# Altium PCB M5_CORE2_re.PcbDoc (part 1 of 3)
Units mm, origin at the board's own origin, x right, y up, seen from the top; angles counter-clockwise.
Board outline 48 x 49.5 mm, 4 copper layers (Top Layer, GND, PWR, Bottom Layer), stack 1.561 mm thick; 165 components, 118 nets, 612 pads, 248 vias.
Unrouted connection lines stored in the file: 4.
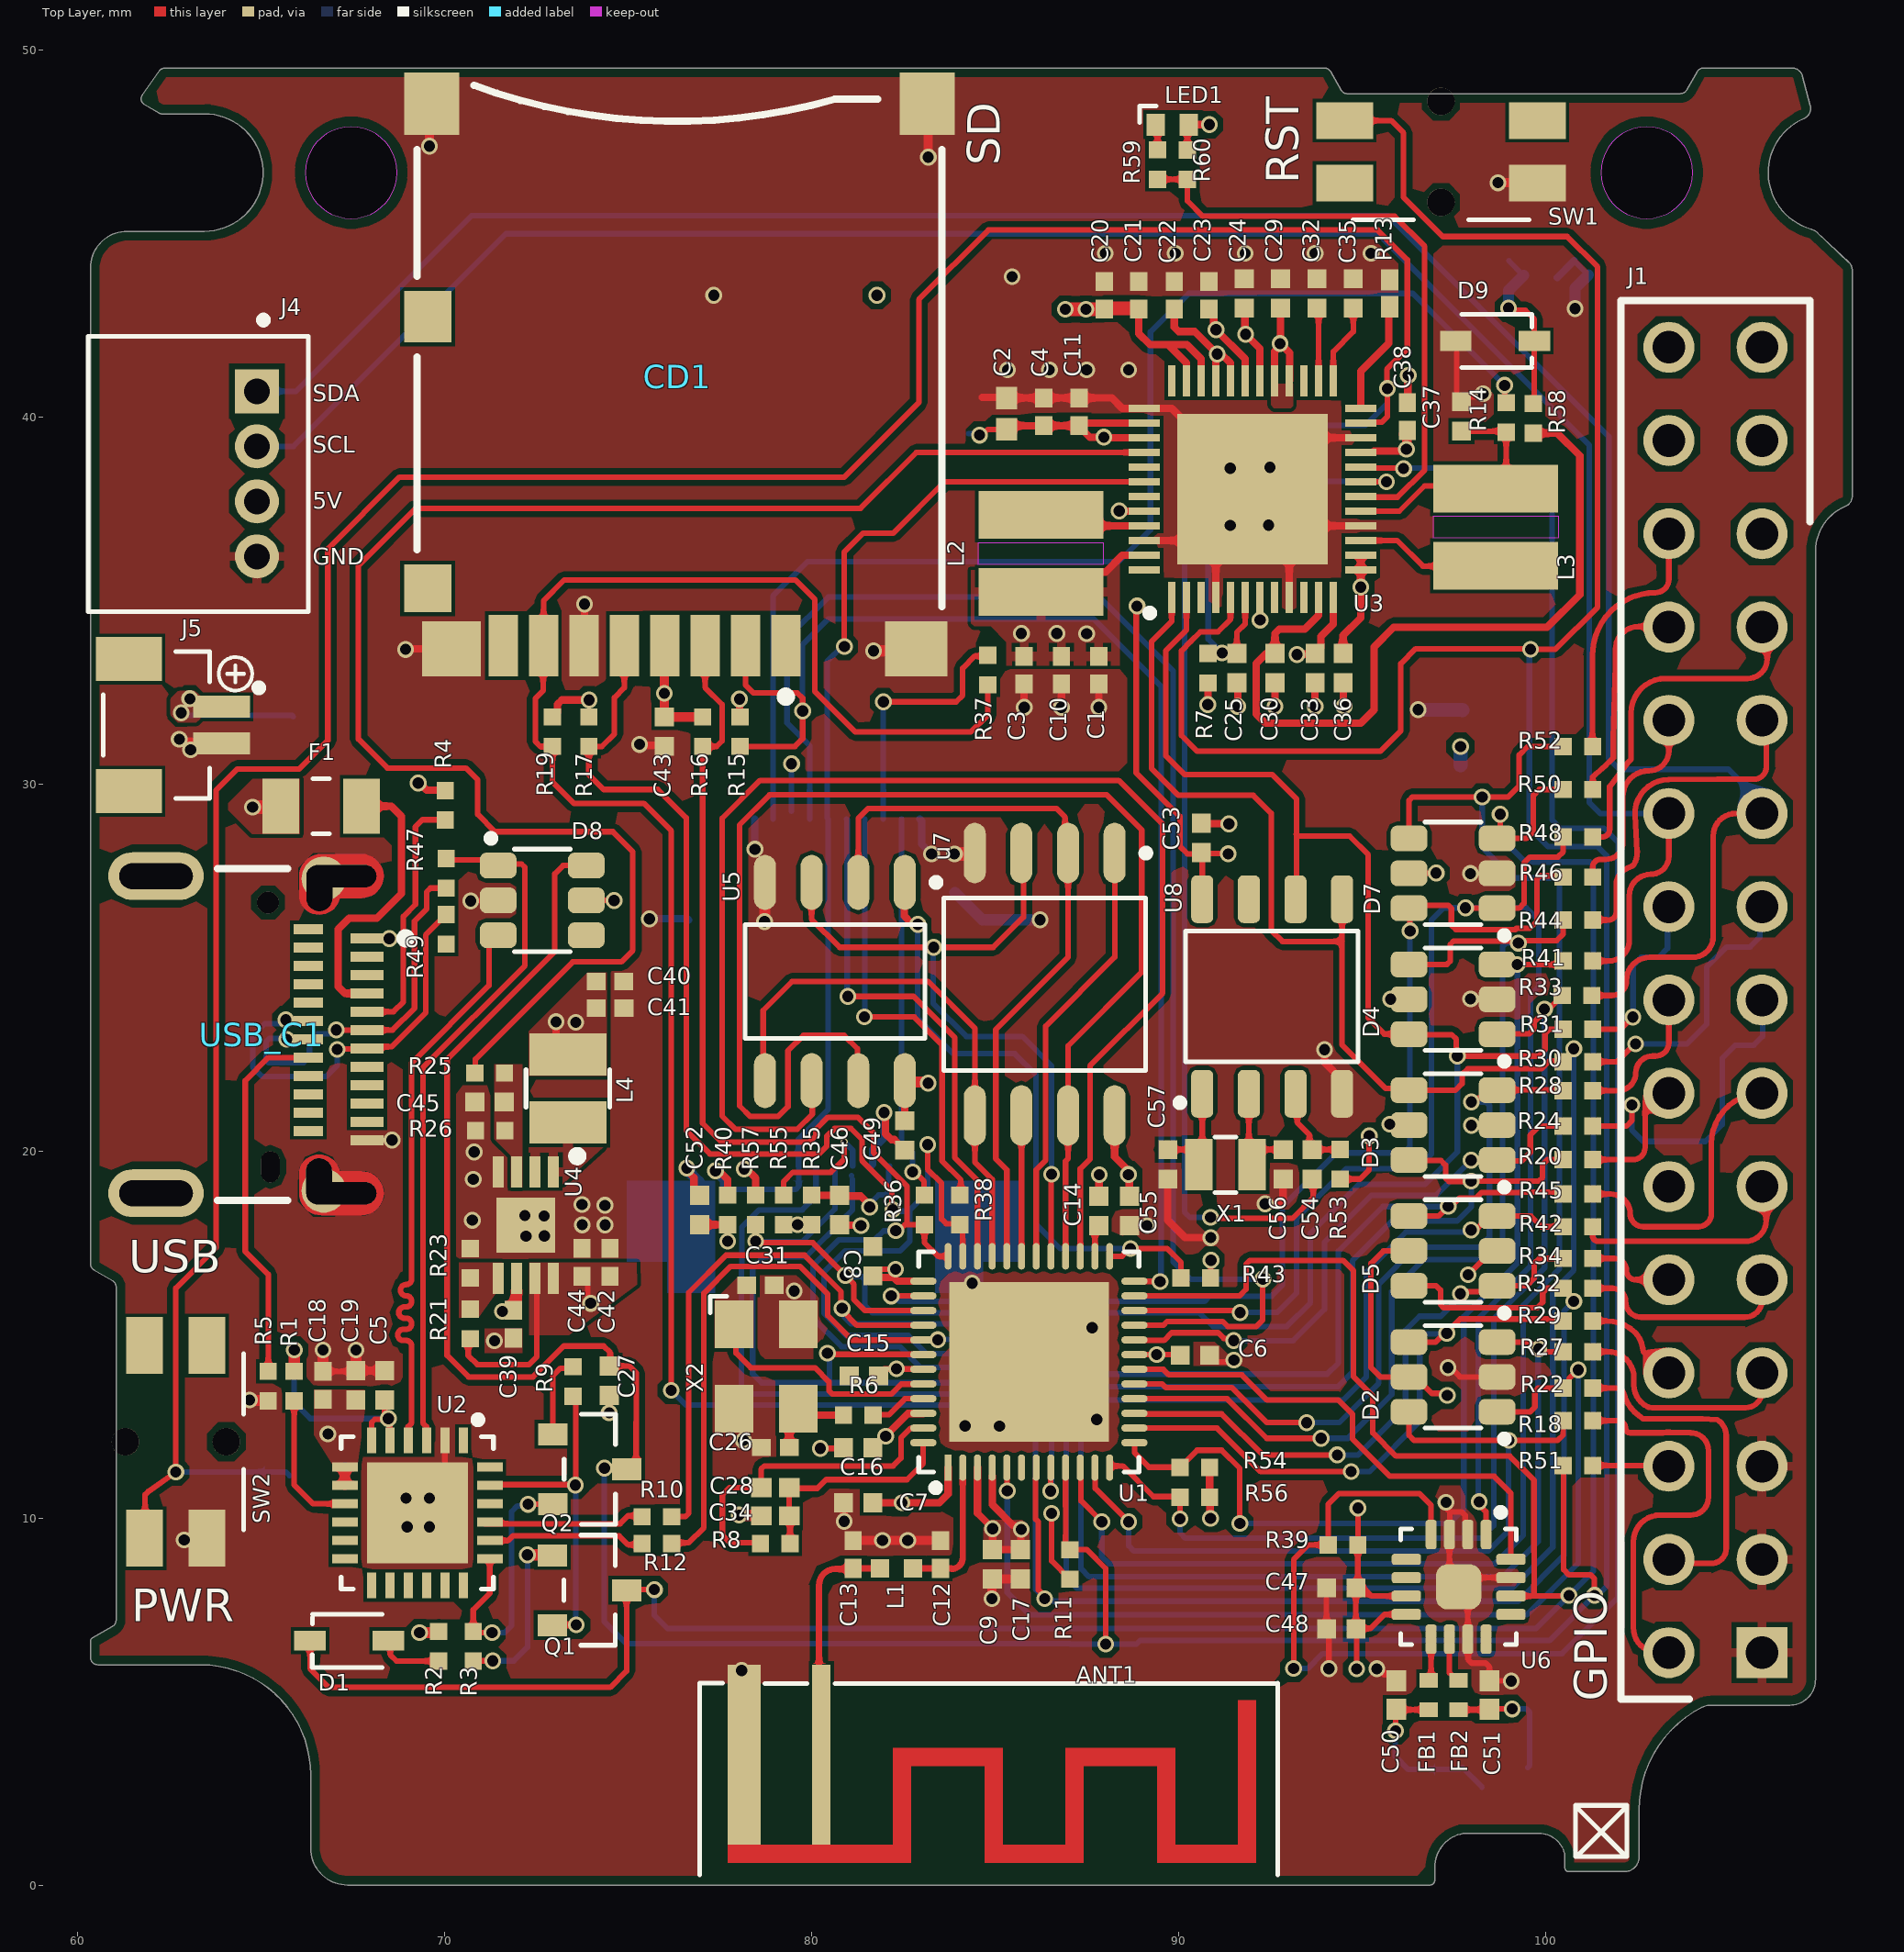
[diagram p0: Top Layer view]
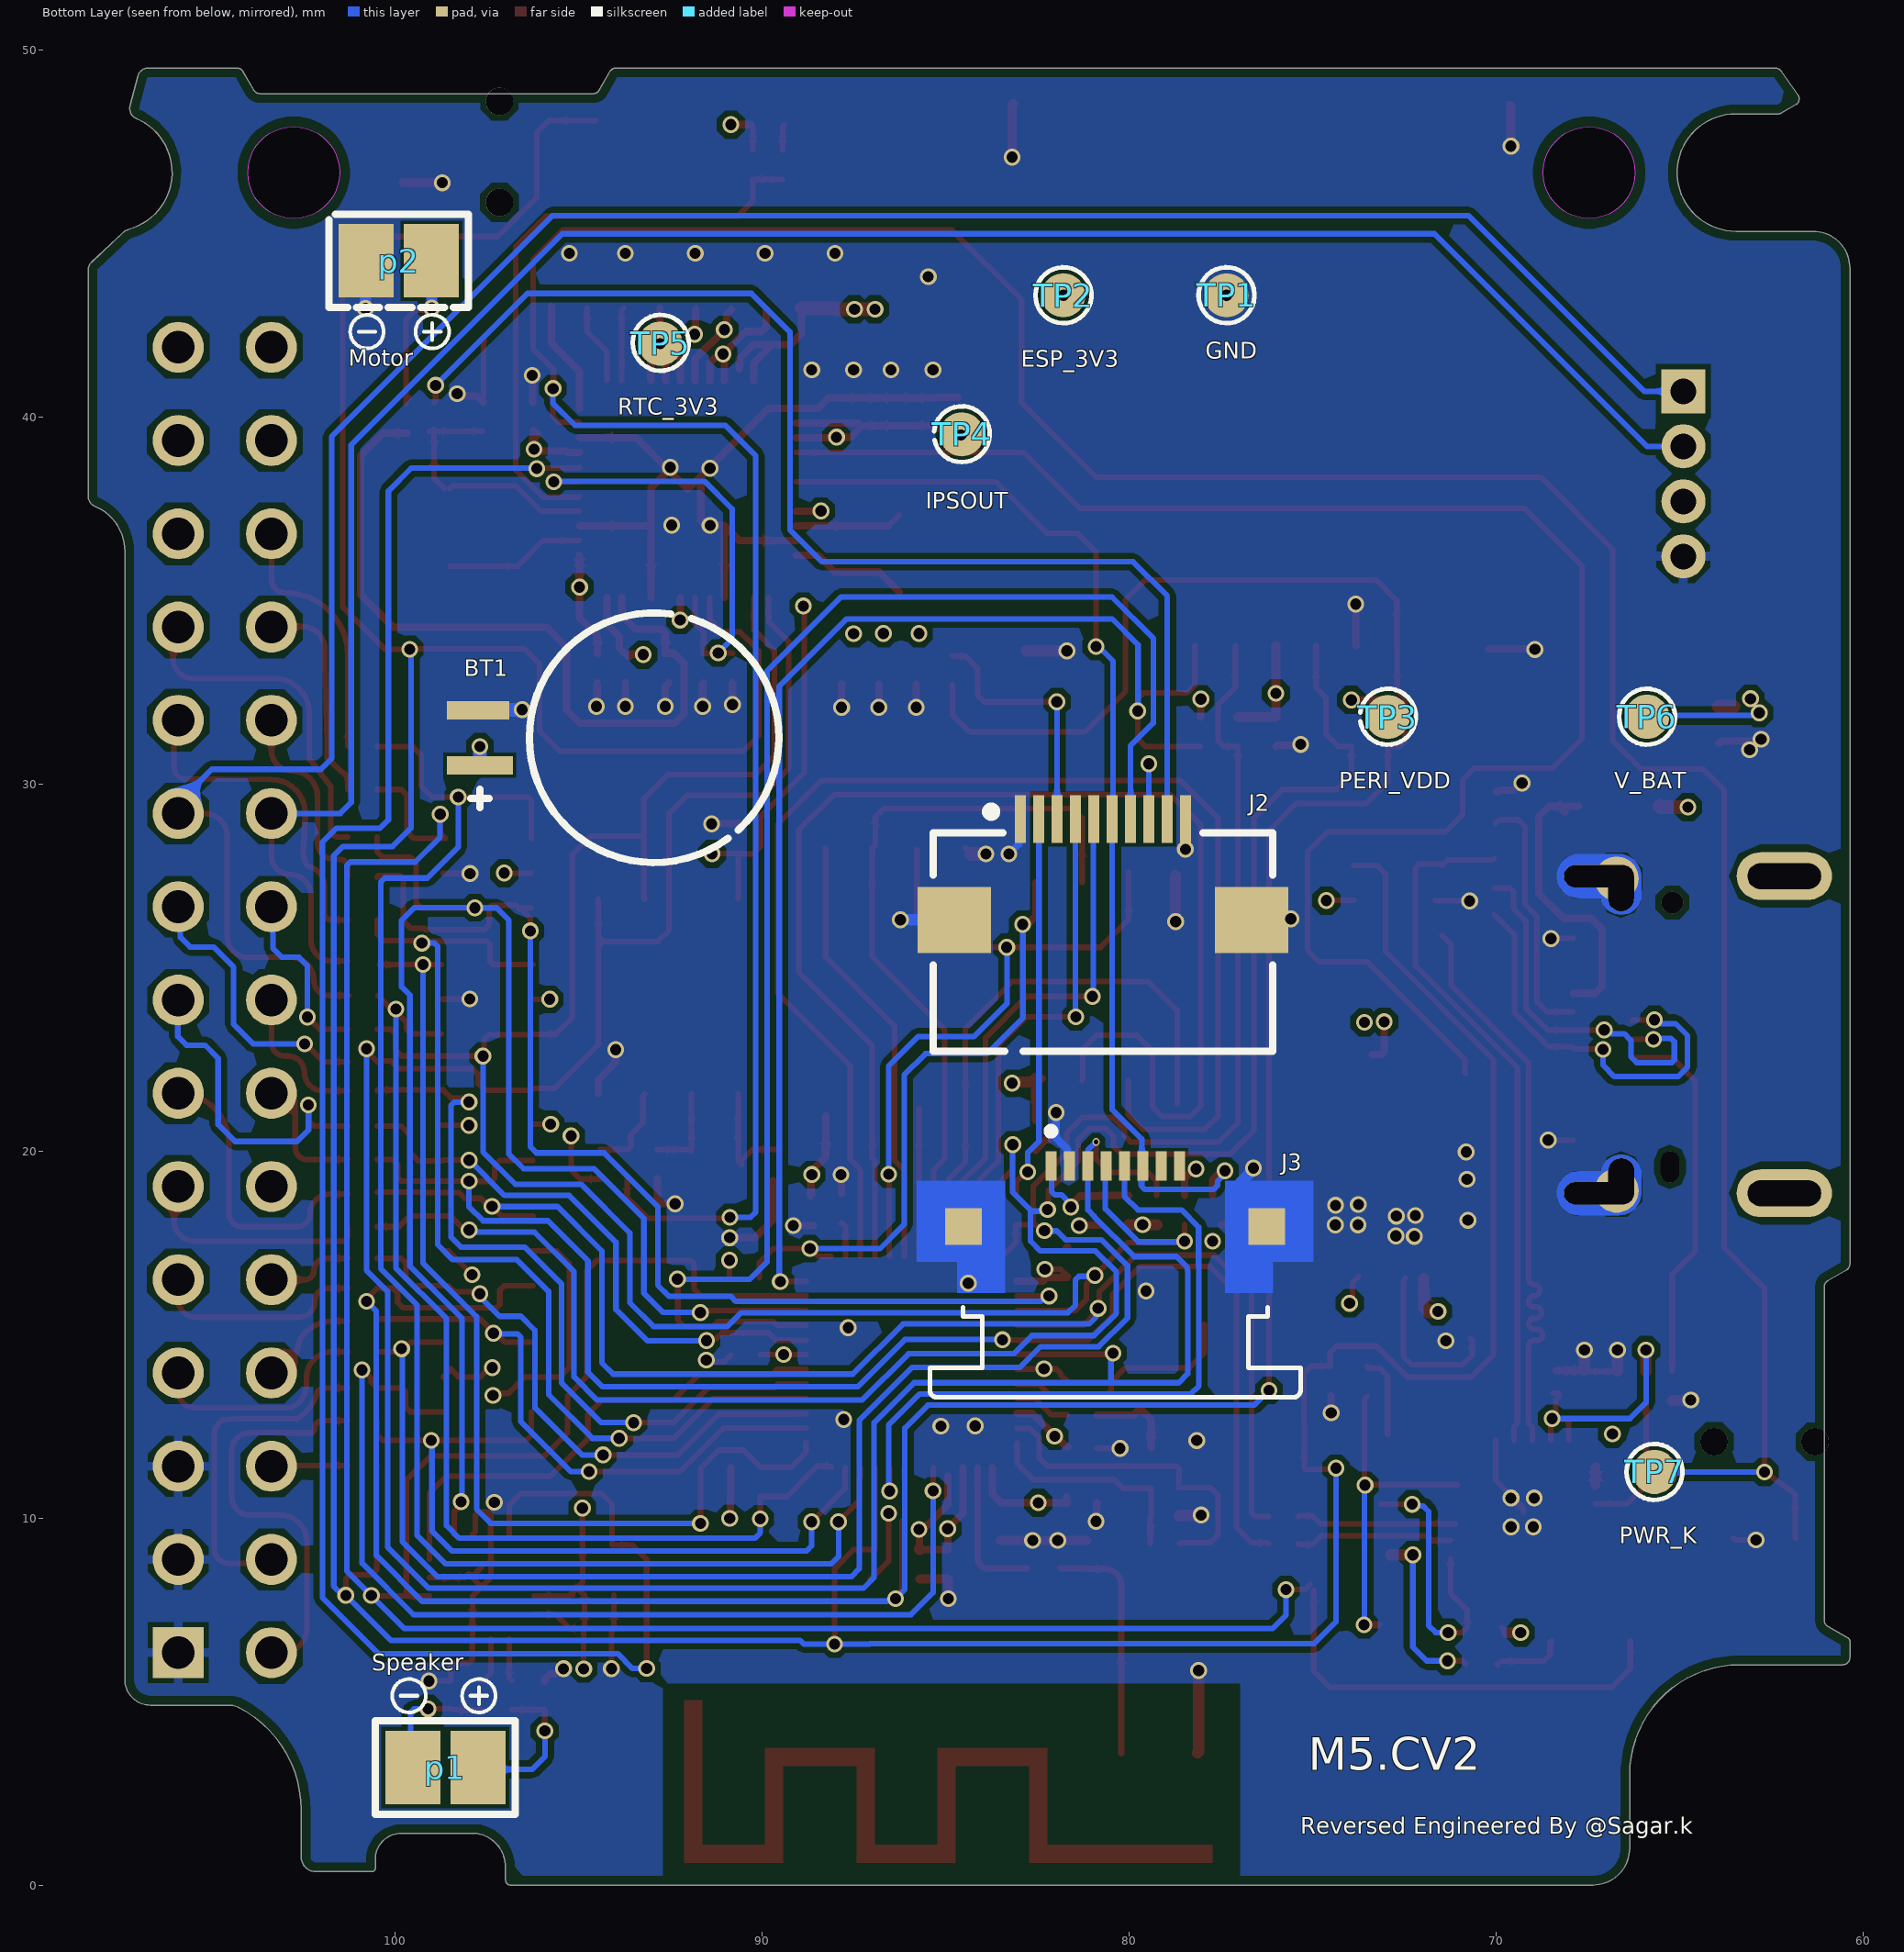
[diagram p1: Bottom Layer view, seen from below]
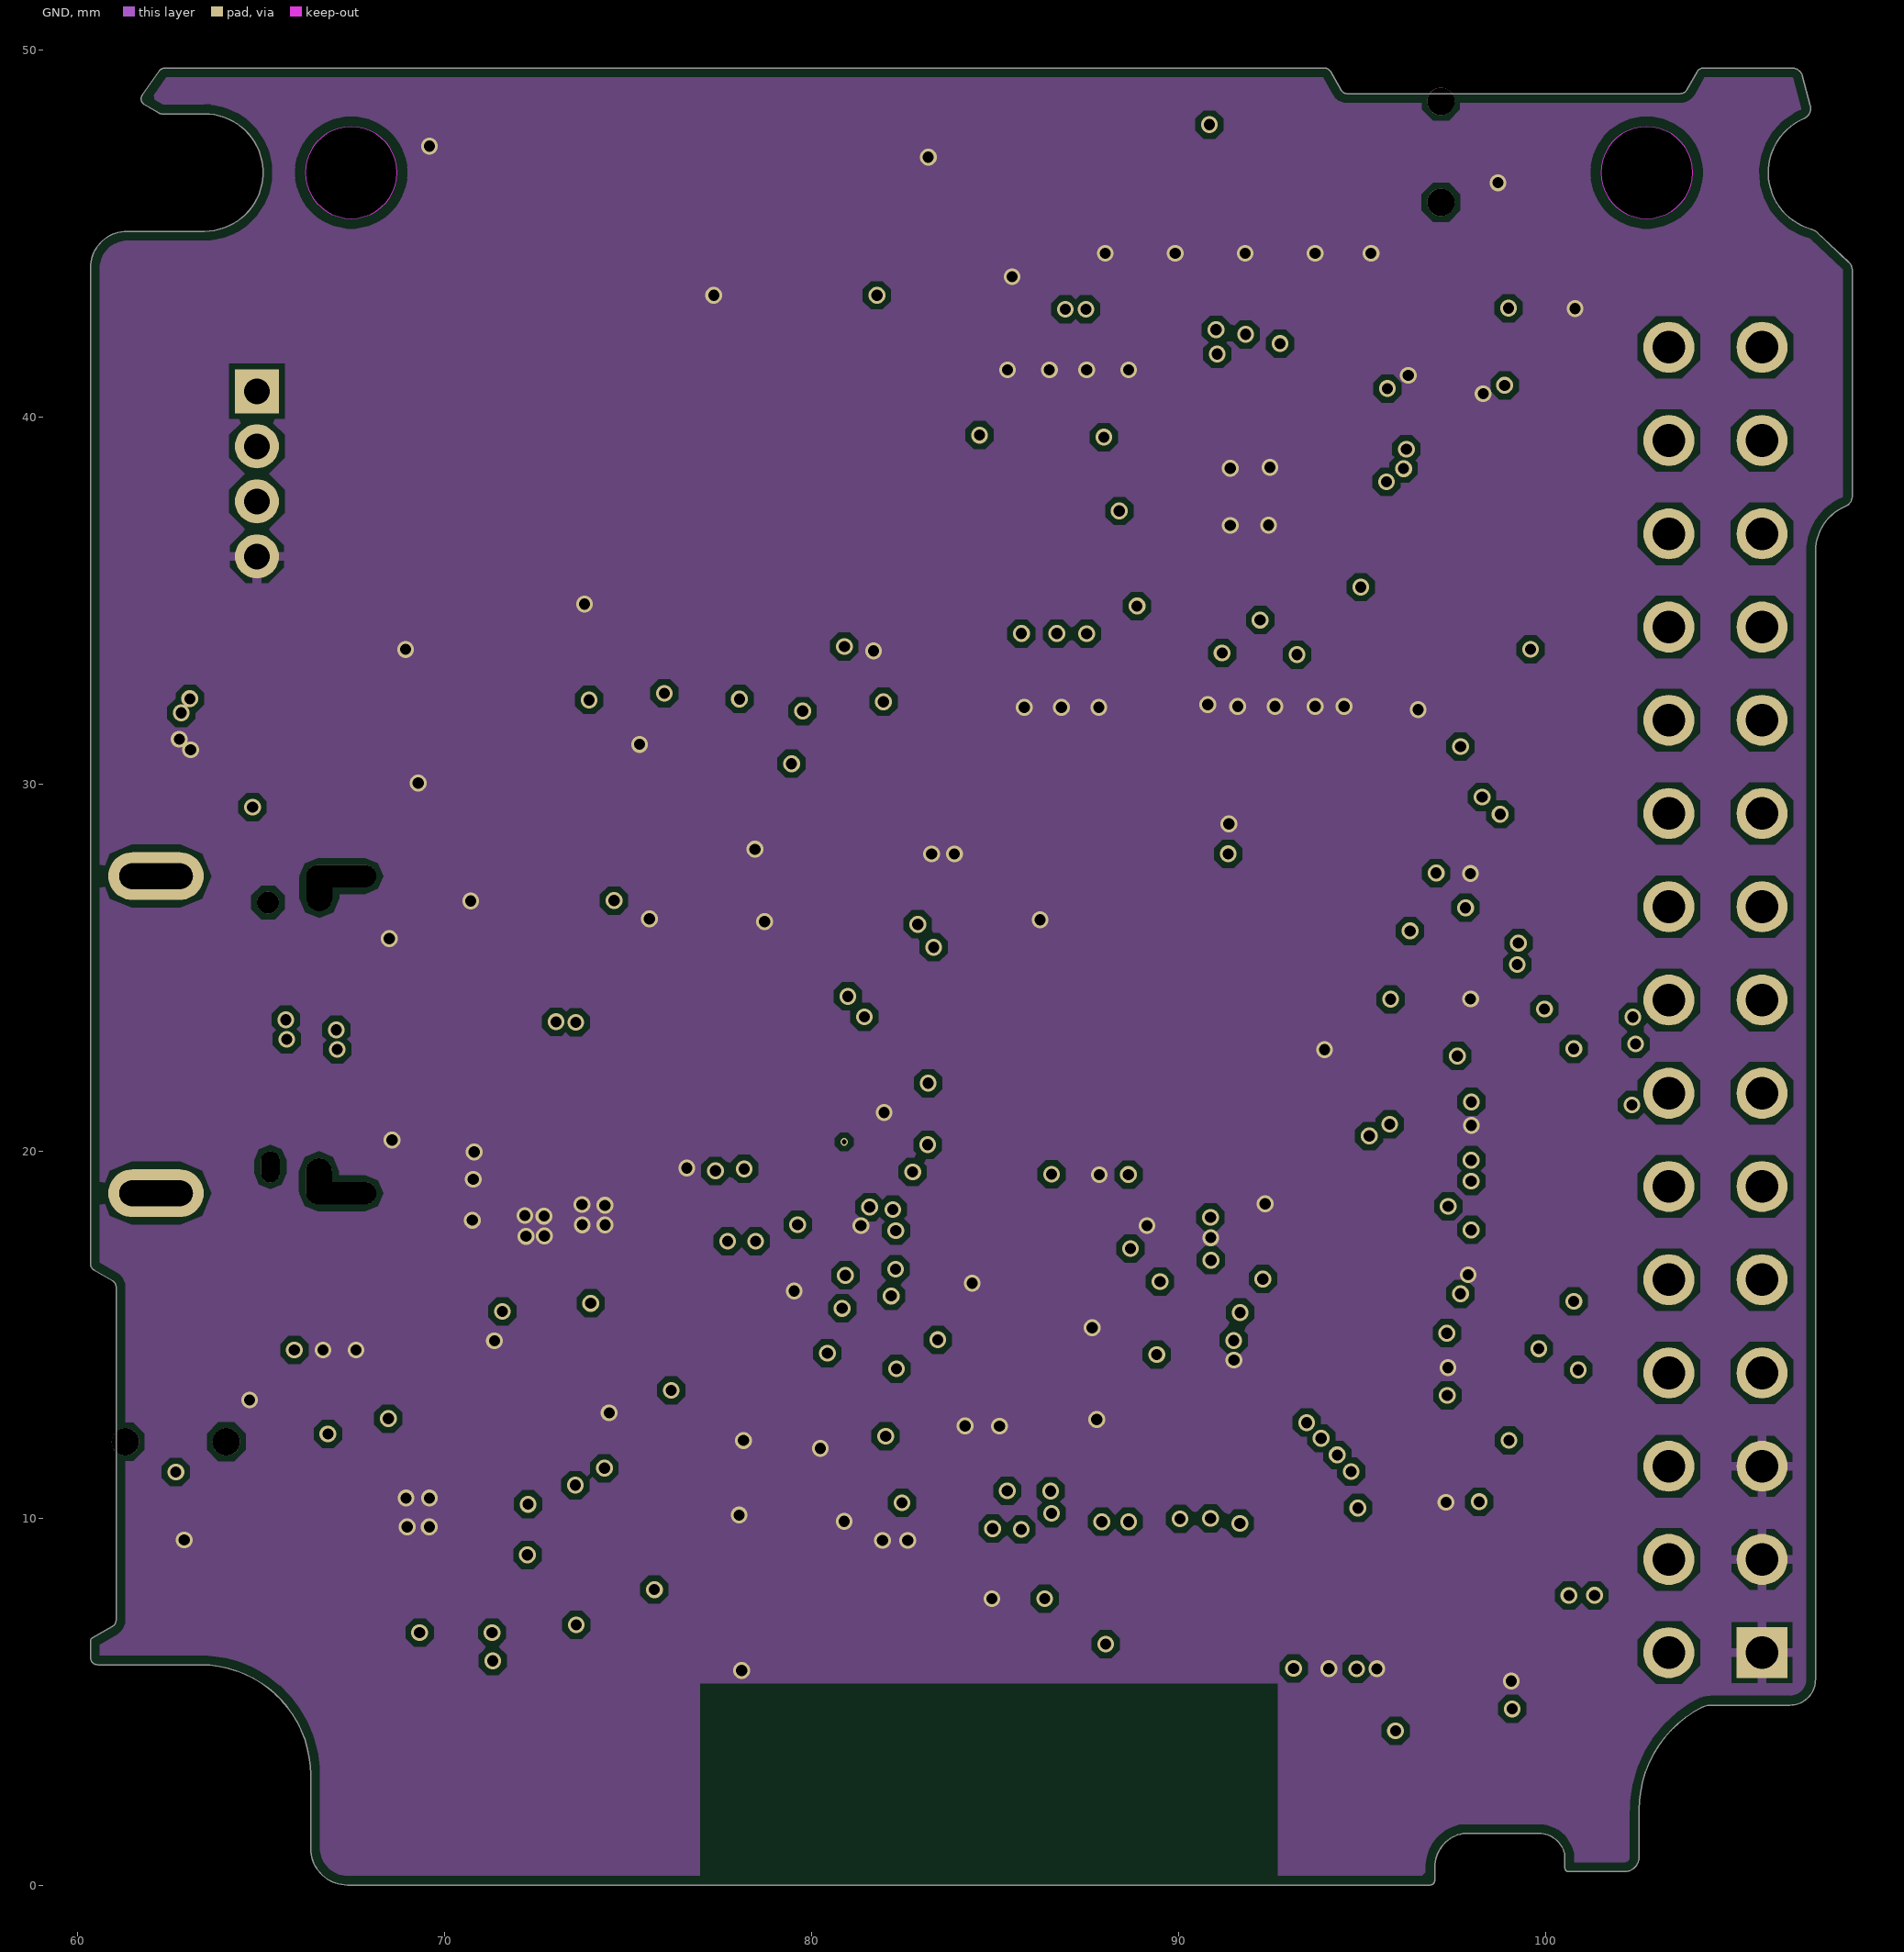
[diagram p2: GND]
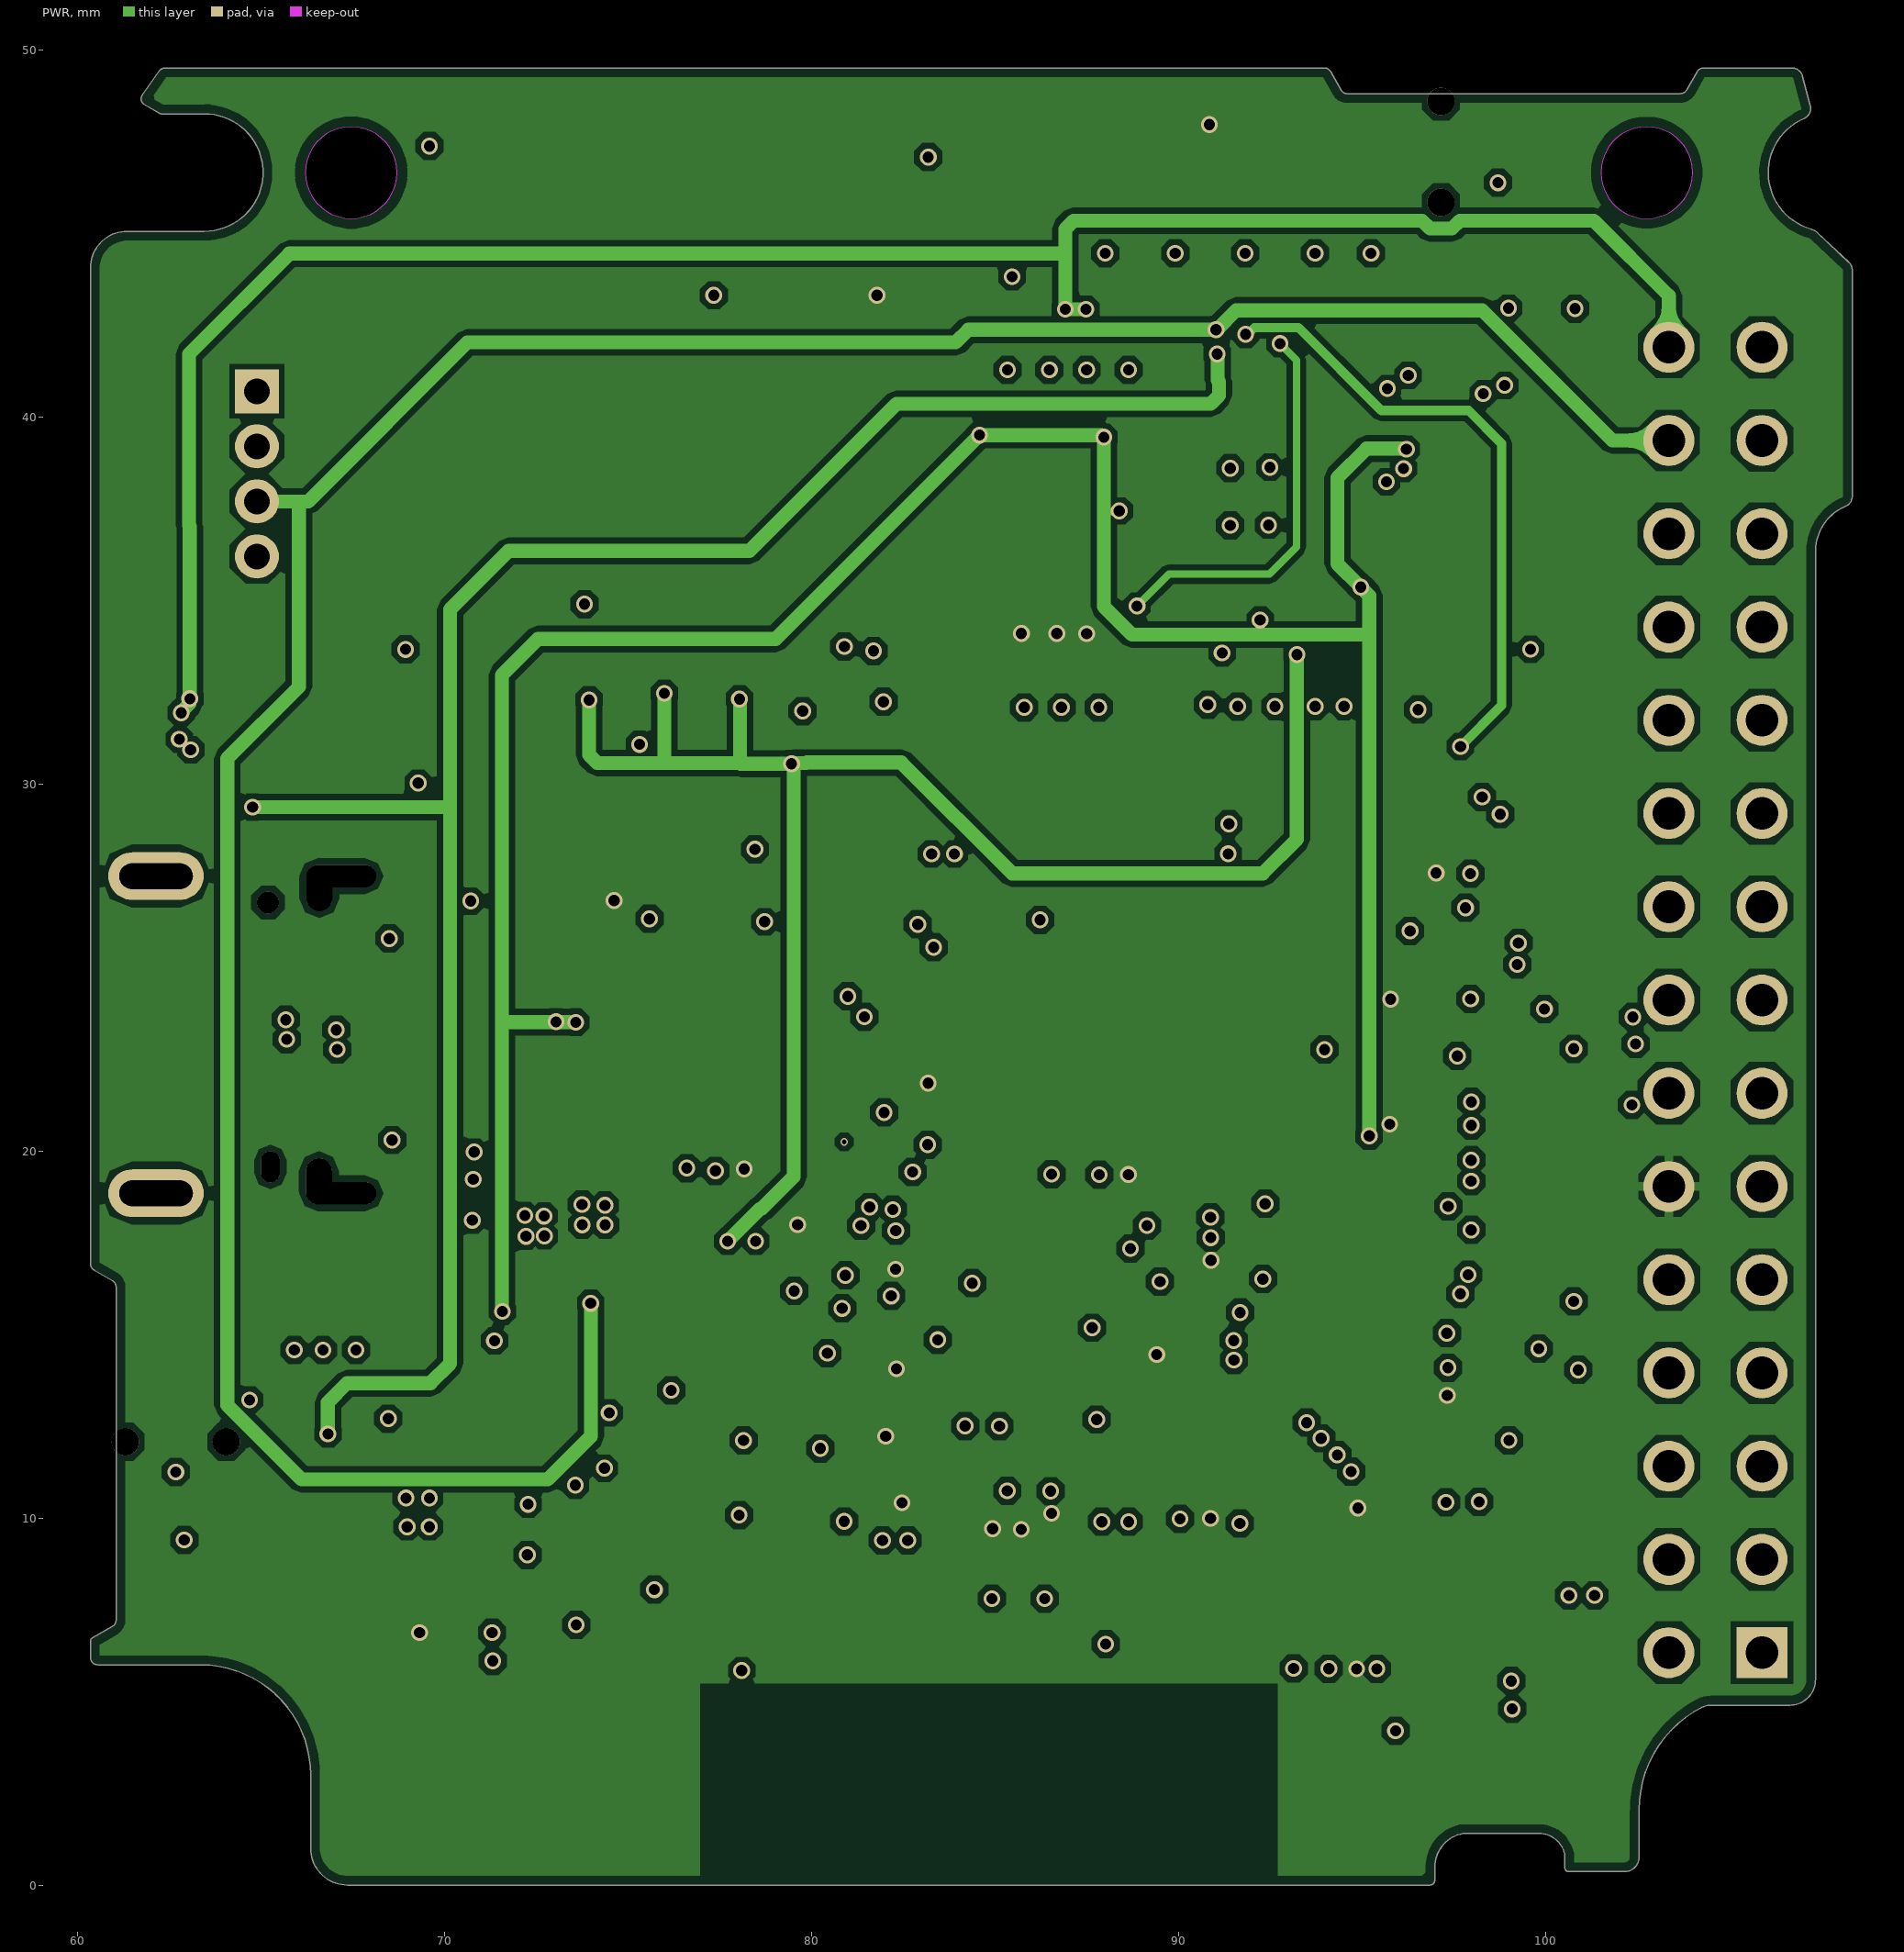
[diagram p3: PWR]
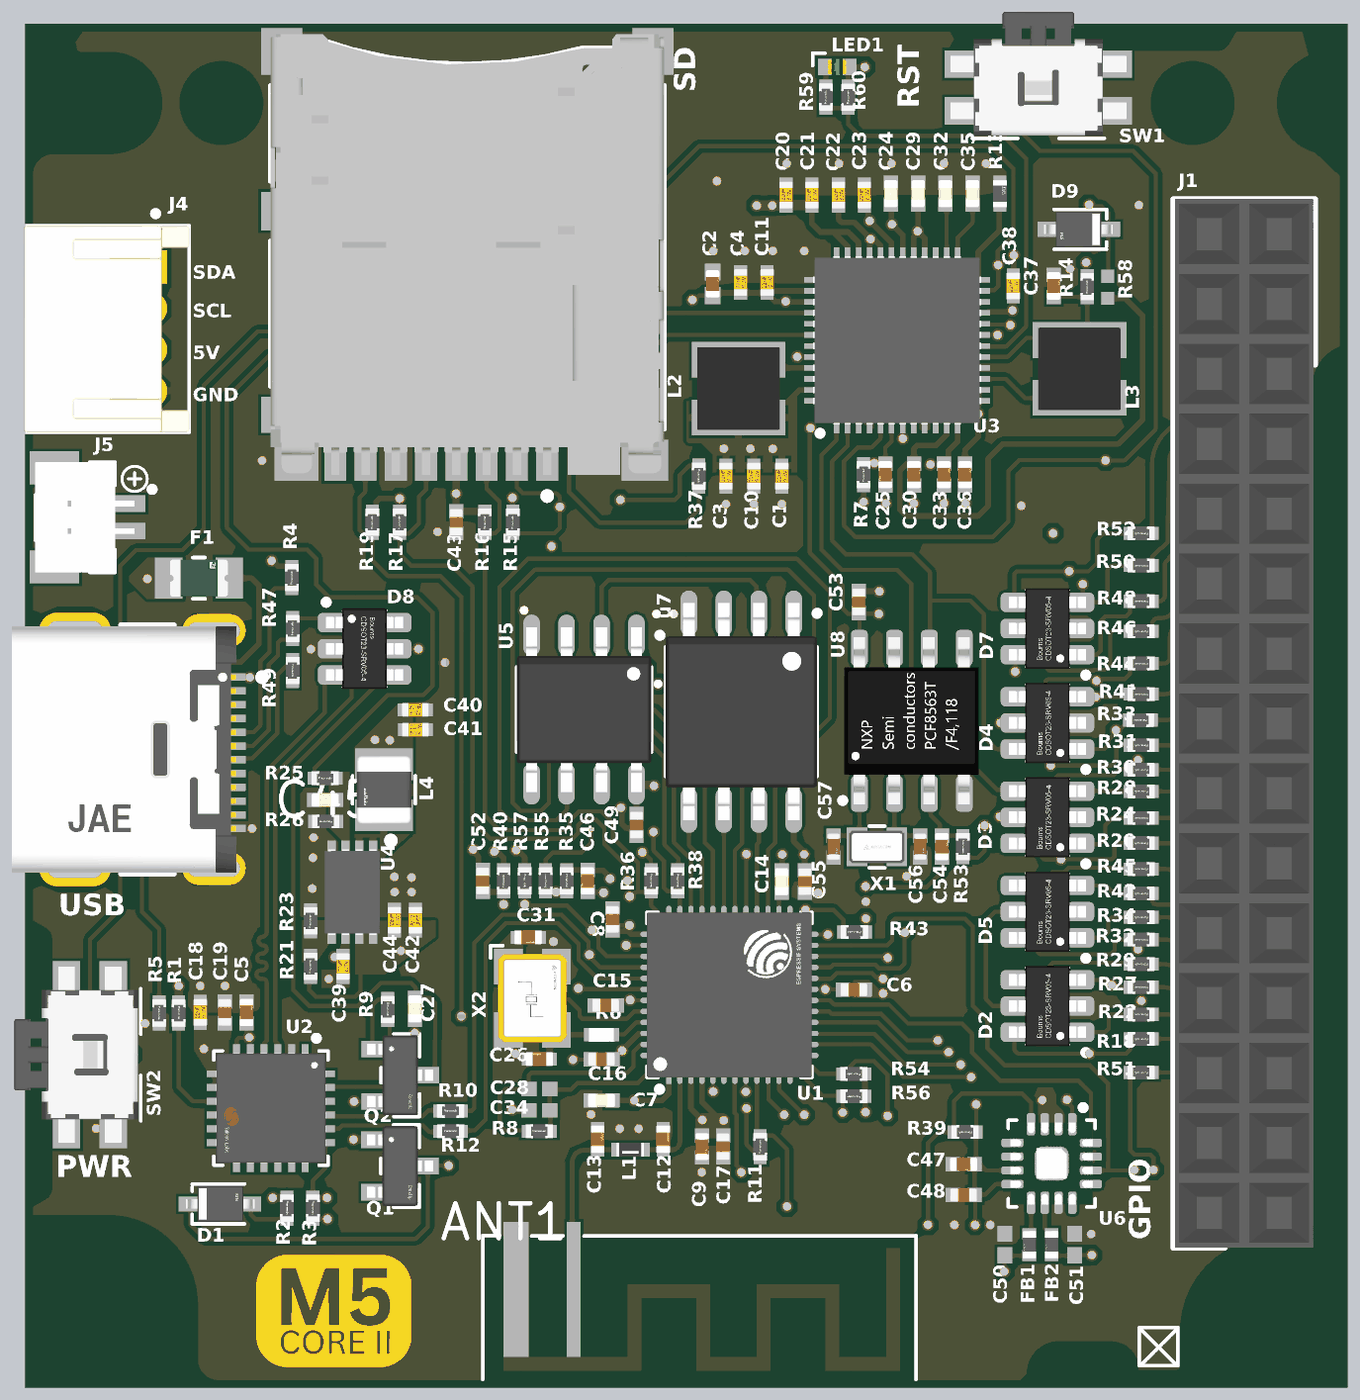
[diagram p6: 3D render of the assembled board from above, using the file's embedded part models]

## Layer stack, top to bottom
Top Solder: solder mask 0.0254, Solder Resist, Dk 3.5
Top Layer: signal copper 0.0356
Dielectric 2: prepreg 0.11, PP-017, Dk 4.3
GND: signal copper 0.035
Dielectric4: core 1.2, Core-039, Dk 4.8
PWR: signal copper 0.035
Dielectric 3: prepreg 0.11, PP-017, Dk 4.3
Bottom Layer: signal copper 0.0356
Bottom Solder: solder mask 0.0254, Solder Resist, Dk 3.5

## Board outline
60.361,6.2 ccw(c60.561,6.2) 60.561,6 63.361,6 cw(c63.361,3) 66.361,3 66.361,1 ccw(c67.361,1) 67.361,0 96.857,0 ccw(c96.857,0.13) 96.987,0.13 96.987,0.487 cw(c97.915,0.487) 97.761,1.403 99.833,1.403 cw(c99.833,0.695) 100.533,0.803 100.533,0.464 ccw(c100.633,0.464) 100.633,0.364 102.155,0.364 ccw(c102.155,0.764) 102.555,0.764 102.555,2.042 cw(c105.704,2.042) 104.27,4.845 cw(c104.497,4.4) 104.497,4.9 106.661,4.9 ccw(c106.661,5.6) 107.361,5.6 107.361,36.334 cw(c108.687,36.334) 108.176,37.558 ccw(c108.061,37.834) 108.361,37.834 108.361,43.99 ccw(c108.061,43.99) 108.266,44.208 107.409,45.015 ccw(c107.135,44.724) 107.243,45.109 cw(c107.673,46.65) 107.045,48.121 ccw(c106.927,48.397) 107.217,48.474 107.005,49.276 ccw(c106.715,49.2) 106.715,49.5 104.312,49.5 ccw(c104.312,49.3) 104.139,49.4 103.85,48.9 cw(c103.677,49) 103.677,48.8 94.596,48.8 cw(c94.596,48.98) 94.44,48.89 94.149,49.395 ccw(c93.967,49.29) 93.967,49.5 62.411,49.5 ccw(c62.411,49.27) 62.223,49.402 61.773,48.76 ccw(c61.921,48.657) 61.831,48.501 62.235,48.267 ccw(c62.3,48.38) 62.3,48.25 63.465,48.25 cw(c63.465,46.65) 63.465,45.05 61.361,45.05 ccw(c61.361,44.05) 60.361,44.05 60.361,16.924 ccw(c60.561,16.924) 60.461,16.751 60.961,16.462 cw(c60.861,16.289) 61.061,16.289 61.061,7.22 cw(c60.861,7.22) 60.961,7.046 60.411,6.729 ccw(c60.461,6.642) 60.361,6.642
cut-out: 101.511,46.65 ccw(c102.761,46.65) 102.761,45.4 ccw(c102.761,46.65) 104.011,46.65 ccw(c102.761,46.65) 102.761,47.9 ccw(c102.761,46.65)
cut-out: 66.215,46.65 ccw(c67.465,46.65) 67.465,45.4 ccw(c67.465,46.65) 68.715,46.65 ccw(c67.465,46.65) 67.465,47.9 ccw(c67.465,46.65)
